# KiCad board GanJing 65 rev 2 hotswap-rounded.kicad_pcb (continued)
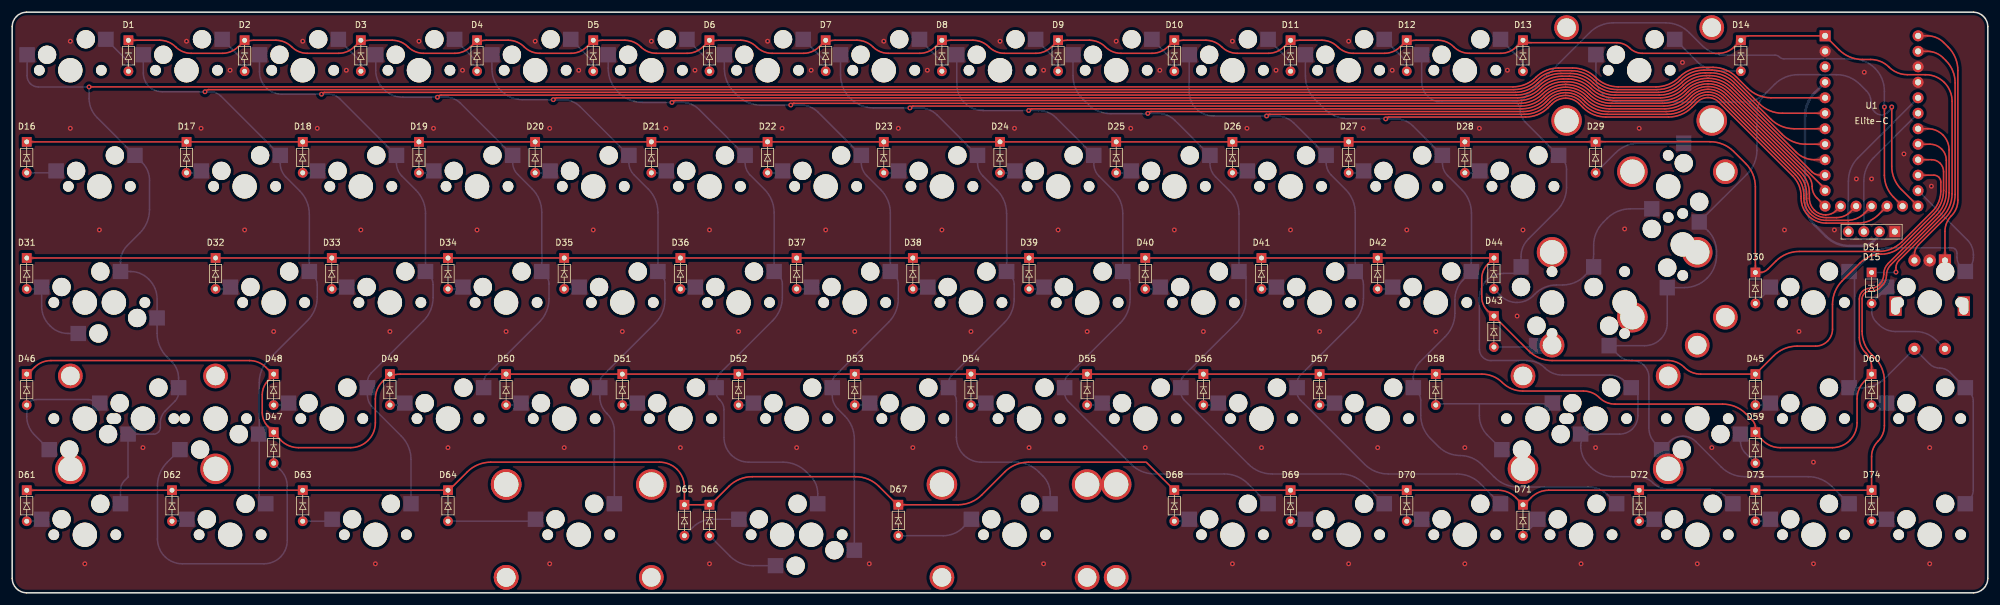
[diagram p0: board, top side]
## Copper pours and planes (outline as drawn; the poured copper is in the pictures) (continued)
col_11 on Bottom: 211.49,31.47 211.34,31.65 211.25,31.83 211.23,32 211.26,32.16 211.32,32.32 211.41,32.49 211.52,32.66 211.63,32.85 211.73,33.05 211.82,33.27 210.54,34.27 209.75,32.77 209.93,32.59 210.1,32.43 210.24,32.3 210.37,32.18 210.63,31.95 210.77,31.82 210.93,31.67 211.11,31.5 211.32,31.29
col_11 on Bottom: 221.62,50.7 221.61,50.98 221.59,51.21 221.57,51.42 221.54,51.59 221.48,51.92 221.46,52.09 221.43,52.27 221.41,52.48 221.4,52.73 219.71,53.15 219.75,51.52 219.98,51.46 220.21,51.42 220.43,51.4 220.65,51.38 220.84,51.35 221.01,51.3 221.16,51.22 221.27,51.1 221.34,50.93 221.37,50.69
col_11 on Bottom: 213.53,73.44 213.73,73.22 213.87,73.01 213.96,72.82 214.01,72.63 214.04,72.45 214.06,72.26 214.07,72.06 214.09,71.84 214.14,71.61 214.21,71.34 215.83,71.31 215.8,72.94 215.54,73.01 215.3,73.06 215.09,73.08 214.89,73.09 214.7,73.1 214.51,73.13 214.33,73.19 214.13,73.28 213.93,73.42 213.71,73.62
col_12 on Top: 306.16,62.08 306.32,62.22 306.46,62.32 306.6,62.38 306.73,62.43 306.86,62.45 306.99,62.46 307.13,62.48 307.29,62.49 307.45,62.53 307.64,62.58 307.66,63.75 306.49,63.73 306.44,63.54 306.4,63.38 306.39,63.22 306.37,63.08 306.36,62.95 306.34,62.82 306.29,62.69 306.23,62.55 306.13,62.41 305.99,62.25
col_12 on Bottom: 229.77,36.49 229.64,36.16 229.53,35.88 229.41,35.65 229.3,35.46 229.19,35.28 228.96,34.92 228.83,34.72 228.7,34.48 228.55,34.2 229.68,33.03 230.8,34.2 230.66,34.46 230.51,34.68 230.36,34.88 230.22,35.07 230.09,35.24 229.99,35.42 229.92,35.62 229.9,35.85 229.92,36.11 230,36.41
col_12 on Bottom: 234.83,69.34 234.74,69.6 234.71,69.81 234.73,70 234.8,70.16 234.9,70.32 235.02,70.47 235.16,70.63 235.3,70.8 235.44,70.99 235.57,71.22 234.44,72.38 233.32,71.2 233.45,70.95 233.58,70.74 233.71,70.57 233.83,70.41 233.95,70.27 234.07,70.12 234.19,69.96 234.32,69.76 234.46,69.53 234.6,69.24
col_12 on Bottom: 212.11,85.78 212.13,86.07 212.18,86.31 212.25,86.51 212.34,86.68 212.46,86.83 212.58,86.97 212.71,87.12 212.85,87.29 212.98,87.48 213.11,87.72 211.99,88.89 210.86,87.72 211,87.48 211.13,87.29 211.27,87.12 211.4,86.97 211.52,86.83 211.64,86.68 211.73,86.51 211.8,86.31 211.85,86.07 211.86,85.78
col_12 on Bottom: 231.02,31.55 231.02,31.84 231.01,32.08 231,32.29 230.99,32.48 230.96,32.81 230.95,32.99 230.94,33.18 230.93,33.4 230.93,33.66 229.28,34.14 229.16,32.52 229.39,32.43 229.62,32.37 229.84,32.33 230.05,32.3 230.25,32.26 230.42,32.2 230.56,32.11 230.67,31.98 230.74,31.8 230.77,31.55
col_12 on Bottom: 260.58,16.63 260.9,16.43 261.13,16.23 261.3,16.02 261.42,15.81 261.51,15.59 261.57,15.35 261.61,15.1 261.67,14.83 261.74,14.52 261.84,14.19 263.46,14.16 263.43,15.79 263.09,15.9 262.8,15.99 262.31,16.14 262.08,16.21 261.86,16.29 261.62,16.38 261.36,16.5 261.06,16.66 260.71,16.85
col_12 on Bottom: 232.58,73.44 232.78,73.21 232.92,73.01 233.01,72.82 233.07,72.63 233.09,72.45 233.11,72.26 233.12,72.06 233.14,71.84 233.19,71.61 233.26,71.34 234.88,71.31 234.85,72.94 234.59,73.01 234.35,73.05 234.14,73.08 233.94,73.09 233.75,73.1 233.57,73.13 233.38,73.18 233.19,73.28 232.98,73.41 232.76,73.61
col_13 on Top: 308.53,64.61 308.67,64.45 308.77,64.31 308.83,64.17 308.88,64.04 308.9,63.91 308.91,63.78 308.93,63.64 308.94,63.48 308.98,63.32 309.03,63.13 310.2,63.11 310.18,64.28 309.99,64.33 309.83,64.37 309.67,64.38 309.53,64.4 309.4,64.41 309.27,64.43 309.14,64.48 309,64.54 308.86,64.64 308.7,64.78
col_13 on Bottom: 247.4,56.42 247.29,56.07 247.17,55.78 247.06,55.54 246.96,55.33 246.85,55.14 246.74,54.95 246.62,54.76 246.49,54.55 246.36,54.31 246.21,54.01 247.33,52.84 248.46,54.01 248.31,54.29 248.15,54.52 248,54.73 247.86,54.92 247.73,55.11 247.63,55.3 247.56,55.51 247.54,55.74 247.56,56.02 247.64,56.34
col_13 on Bottom: 231.16,85.78 231.18,86.07 231.23,86.31 231.3,86.51 231.39,86.68 231.51,86.83 231.63,86.97 231.76,87.12 231.9,87.29 232.03,87.48 232.16,87.72 231.04,88.89 229.91,87.72 230.05,87.48 230.18,87.29 230.32,87.12 230.45,86.97 230.57,86.83 230.69,86.68 230.78,86.51 230.85,86.31 230.9,86.07 230.91,85.78
col_13 on Bottom: 254.91,69.7 254.89,69.99 254.87,70.24 254.85,70.45 254.84,70.64 254.79,71.16 254.78,71.36 254.76,71.58 254.74,71.84 253.08,72.23 252.99,70.61 253.23,70.53 253.46,70.47 253.69,70.44 253.9,70.41 254.1,70.37 254.27,70.32 254.42,70.24 254.54,70.11 254.62,69.93 254.66,69.68
col_13 on Bottom: 279.81,16.43 280.1,16.25 280.31,16.08 280.46,15.89 280.56,15.69 280.62,15.49 280.67,15.27 280.7,15.03 280.74,14.77 280.8,14.49 280.89,14.19 282.51,14.16 282.48,15.79 282.16,15.89 281.89,15.97 281.65,16.03 281.43,16.08 281.22,16.13 281.01,16.19 280.79,16.26 280.54,16.36 280.25,16.48 279.92,16.65
col_13 on Bottom: 263.29,35.28 263.56,35.14 263.75,34.98 263.88,34.81 263.96,34.63 264.01,34.44 264.04,34.23 264.07,34.01 264.09,33.77 264.14,33.52 264.22,33.24 265.84,33.21 265.81,34.84 265.52,34.93 265.26,35 265.04,35.04 264.83,35.08 264.64,35.11 264.44,35.15 264.22,35.2 263.98,35.27 263.71,35.37 263.4,35.51
col_13 on Bottom: 251.64,73.43 251.83,73.21 251.97,73.01 252.06,72.82 252.12,72.63 252.14,72.44 252.16,72.26 252.17,72.06 252.19,71.84 252.24,71.61 252.31,71.34 253.93,71.31 253.9,72.94 253.64,73.01 253.41,73.05 253.19,73.08 252.99,73.09 252.8,73.1 252.62,73.13 252.43,73.18 252.24,73.27 252.03,73.41 251.81,73.61
col_14 on Top: 311.07,64.61 311.21,64.45 311.31,64.31 311.37,64.17 311.42,64.04 311.44,63.91 311.45,63.78 311.47,63.64 311.48,63.48 311.52,63.32 311.57,63.13 312.74,63.11 312.72,64.28 312.53,64.33 312.37,64.37 312.21,64.38 312.07,64.4 311.94,64.41 311.81,64.43 311.68,64.48 311.54,64.54 311.4,64.64 311.24,64.78
col_14 on Bottom: 264.27,40.66 263.97,40.68 263.73,40.73 263.53,40.8 263.36,40.89 263.21,41.01 263.07,41.13 262.92,41.26 262.76,41.4 262.56,41.53 262.32,41.66 261.15,40.54 262.32,39.41 262.56,39.55 262.76,39.68 262.92,39.82 263.07,39.95 263.21,40.07 263.36,40.19 263.53,40.28 263.73,40.35 263.97,40.4 264.27,40.41
col_14 on Bottom: 299.27,16.28 299.47,16.06 299.6,15.85 299.69,15.66 299.75,15.47 299.77,15.29 299.79,15.1 299.8,14.9 299.82,14.69 299.86,14.46 299.94,14.19 301.56,14.16 301.53,15.79 301.27,15.86 301.03,15.9 300.82,15.92 300.62,15.94 300.43,15.95 300.25,15.98 300.06,16.03 299.87,16.12 299.67,16.26 299.44,16.45
col_14 on Bottom: 259.74,85.78 259.76,86.07 259.8,86.31 259.88,86.51 259.97,86.68 260.08,86.83 260.2,86.97 260.34,87.12 260.47,87.29 260.61,87.48 260.74,87.72 259.61,88.89 258.49,87.72 258.62,87.48 258.76,87.29 258.89,87.12 259.03,86.97 259.15,86.83 259.26,86.68 259.35,86.51 259.43,86.31 259.47,86.07 259.49,85.78
col_14 on Bottom: 264.39,38.42 264.04,38.59 263.77,38.77 263.57,38.97 263.43,39.18 263.33,39.42 263.25,39.68 263.2,39.95 263.14,40.26 263.07,40.58 262.97,40.93 261.34,40.99 261.35,39.37 261.72,39.23 262.03,39.11 262.29,39.01 262.54,38.91 262.77,38.81 263.26,38.61 263.55,38.49 263.9,38.35 264.3,38.19
col_15 on Bottom: 304.49,33.92 304.1,33.85 303.76,33.82 303.47,33.85 303.22,33.91 302.98,34.01 302.76,34.13 302.52,34.28 302.27,34.44 301.99,34.61 301.66,34.78 300.49,33.66 301.66,32.53 302,32.7 302.3,32.85 302.55,32.98 302.78,33.09 303.01,33.19 303.24,33.29 303.5,33.38 303.79,33.48 304.14,33.58 304.55,33.68
col_15 on Bottom: 302.12,50.56 302.13,50.86 302.15,51.11 302.18,51.32 302.21,51.51 302.25,51.68 302.28,51.85 302.31,52.02 302.34,52.22 302.36,52.44 302.37,52.71 300.68,53.15 300.7,51.53 300.89,51.47 301.07,51.41 301.23,51.36 301.39,51.31 301.53,51.24 301.64,51.16 301.74,51.06 301.81,50.93 301.86,50.77 301.88,50.56
col_15 on Bottom: 303.1,54.08 302.91,53.92 302.74,53.81 302.57,53.75 302.41,53.72 302.24,53.73 302.08,53.76 301.9,53.81 301.71,53.86 301.5,53.91 301.27,53.95 300.53,52.5 302,51.82 302.2,52.04 302.35,52.25 302.45,52.45 302.53,52.64 302.6,52.83 302.67,53.02 302.76,53.22 302.88,53.43 303.05,53.66 303.27,53.9
col_15 on Bottom: 321.36,54.78 321.31,54.53 321.23,54.35 321.11,54.22 320.96,54.14 320.78,54.08 320.58,54.05 320.37,54.02 320.14,53.99 319.91,53.94 319.67,53.85 319.76,52.23 321.41,52.6 321.58,54.46 321.61,54.76
col_15 on Bottom: 318.31,35.33 318.51,35.11 318.65,34.91 318.74,34.72 318.79,34.53 318.82,34.34 318.83,34.16 318.85,33.96 318.87,33.74 318.91,33.51 318.99,33.24 320.61,33.21 320.58,34.84 320.32,34.91 320.08,34.95 319.87,34.98 319.67,34.99 319.48,35 319.29,35.03 319.11,35.08 318.91,35.17 318.71,35.31 318.49,35.51
col_15 on Bottom: 318.69,54.73 318.73,54.43 318.76,54.18 318.78,53.96 318.8,53.77 318.83,53.42 318.85,53.24 318.87,53.04 318.89,52.81 318.93,52.54 320.58,52.24 320.65,53.86 320.41,53.94 320.18,53.99 319.95,54.02 319.74,54.04 319.54,54.08 319.36,54.13 319.21,54.21 319.09,54.33 318.99,54.52 318.94,54.76
col_15 on Bottom: 321.59,31.6 321.57,31.89 321.55,32.14 321.53,32.35 321.51,32.54 321.47,33.06 321.45,33.26 321.43,33.48 321.41,33.74 319.76,34.13 319.67,32.51 319.9,32.43 320.14,32.37 320.36,32.34 320.57,32.31 320.77,32.27 320.95,32.22 321.1,32.14 321.21,32.01 321.3,31.83 321.34,31.58
col_15 on Bottom: 301.88,35.8 301.86,35.59 301.81,35.43 301.74,35.3 301.64,35.2 301.53,35.12 301.39,35.05 301.23,35 301.07,34.95 300.89,34.89 300.7,34.83 300.68,33.21 302.37,33.66 302.36,33.92 302.34,34.14 302.31,34.34 302.28,34.51 302.25,34.68 302.21,34.85 302.18,35.04 302.15,35.25 302.13,35.5 302.12,35.8
col_15 on Bottom: 313.77,64.79 313.63,64.95 313.53,65.09 313.47,65.23 313.42,65.36 313.4,65.49 313.39,65.62 313.37,65.76 313.36,65.92 313.32,66.08 313.27,66.27 312.1,66.29 312.12,65.12 312.31,65.07 312.47,65.03 312.63,65.02 312.77,65 312.9,64.99 313.03,64.97 313.16,64.92 313.3,64.86 313.44,64.76 313.6,64.62
col_15 on Bottom: 321.34,16.68 321.3,16.43 321.21,16.25 321.1,16.12 320.95,16.04 320.77,15.99 320.57,15.95 320.36,15.92 320.14,15.89 319.9,15.83 319.67,15.75 319.76,14.13 321.41,14.52 321.43,14.78 321.45,15 321.47,15.2 321.51,15.72 321.53,15.91 321.55,16.12 321.57,16.37 321.59,16.66
rotory_1 on Top: 314.89,91.38 314.6,91.46 314.35,91.53 314.13,91.59 313.95,91.65 313.78,91.72 313.62,91.79 313.45,91.87 313.27,91.96 313.06,92.06 312.81,92.18 311.97,91.37 312.81,90.56 313.04,90.68 313.25,90.8 313.42,90.91 313.59,91.01 313.75,91.1 313.92,91.16 314.1,91.2 314.31,91.22 314.55,91.2 314.83,91.14
rotory_1 on Top: 316.7,56.53 316.69,56.29 316.65,56.1 316.6,55.94 316.52,55.8 316.44,55.68 316.34,55.56 316.24,55.44 316.14,55.31 316.03,55.15 315.92,54.96 316.82,54.03 317.72,54.96 317.62,55.15 317.51,55.31 317.41,55.44 317.31,55.56 317.21,55.68 317.13,55.8 317.05,55.94 317,56.1 316.96,56.29 316.95,56.53
rotory_2 on Top: 311.95,56.55 311.83,56.32 311.72,56.14 311.62,55.98 311.52,55.85 311.42,55.73 311.33,55.61 311.24,55.48 311.14,55.34 311.04,55.18 310.93,54.97 311.82,54.03 312.73,54.95 312.63,55.13 312.52,55.28 312.41,55.42 312.3,55.55 312.21,55.67 312.13,55.79 312.08,55.93 312.07,56.07 312.1,56.24 312.18,56.44
rotory_2 on Top: 314.86,88.84 314.57,88.92 314.32,88.99 314.11,89.05 313.93,89.12 313.77,89.18 313.6,89.25 313.44,89.33 313.26,89.42 313.05,89.52 312.81,89.64 311.97,88.83 312.81,88.02 313.04,88.14 313.24,88.26 313.42,88.37 313.58,88.47 313.74,88.55 313.91,88.62 314.09,88.66 314.29,88.67 314.52,88.65 314.8,88.6
row_1 on Top: 246.02,88.97 246.27,89.12 246.47,89.25 246.66,89.36 246.82,89.45 246.97,89.53 247.12,89.6 247.29,89.66 247.46,89.73 247.67,89.81 247.91,89.89 247.93,90.93 246.89,90.91 246.82,90.67 246.76,90.46 246.71,90.27 246.66,90.09 246.6,89.93 246.52,89.78 246.42,89.63 246.29,89.49 246.11,89.34 245.89,89.18
row_1 on Top: 281.74,88.97 281.99,89.12 282.19,89.25 282.37,89.36 282.54,89.45 282.69,89.53 282.84,89.6 283,89.66 283.18,89.73 283.39,89.81 283.63,89.89 283.65,90.93 282.61,90.91 282.54,90.67 282.48,90.46 282.43,90.27 282.38,90.09 282.32,89.93 282.24,89.78 282.14,89.63 282.01,89.49 281.83,89.34 281.61,89.18
row_1 on Top: 249.15,90.38 249,90.38 248.87,90.41 248.77,90.46 248.69,90.51 248.62,90.59 248.56,90.67 248.51,90.77 248.45,90.87 248.38,90.98 248.31,91.1 247.3,90.84 247.65,89.85 247.83,89.85 247.99,89.88 248.13,89.91 248.25,89.94 248.36,89.99 248.48,90.03 248.61,90.06 248.76,90.1 248.94,90.12 249.15,90.12
row_1 on Top: 20.64,90.77 20.45,90.78 20.3,90.81 20.17,90.85 20.06,90.9 19.97,90.97 19.87,91.04 19.78,91.12 19.67,91.2 19.55,91.29 19.4,91.37 18.65,90.65 19.4,89.93 19.55,90.01 19.67,90.09 19.78,90.17 19.87,90.25 19.97,90.32 20.06,90.39 20.17,90.44 20.3,90.48 20.45,90.51 20.64,90.52
row_1 on Top: 284.73,91.5 284.55,91.49 284.39,91.49 284.25,91.48 284.13,91.48 283.8,91.46 283.68,91.45 283.53,91.45 283.37,91.45 283.05,90.4 284.09,90.3 284.14,90.43 284.19,90.57 284.22,90.7 284.25,90.83 284.28,90.94 284.32,91.04 284.38,91.13 284.47,91.19 284.58,91.23 284.73,91.25
row_1 on Bottom: 306.39,52.67 306.2,52.68 306.05,52.71 305.92,52.75 305.81,52.8 305.72,52.87 305.62,52.94 305.53,53.02 305.42,53.1 305.3,53.19 305.15,53.27 304.4,52.55 305.15,51.83 305.3,51.91 305.42,51.99 305.53,52.07 305.62,52.15 305.72,52.22 305.81,52.29 305.92,52.34 306.05,52.38 306.2,52.41 306.39,52.42
row_2 on Top: 3.97,74.1 3.78,74.11 3.63,74.14 3.5,74.18 3.39,74.24 3.3,74.3 3.2,74.37 3.11,74.45 3,74.53 2.88,74.62 2.73,74.7 1.98,73.98 2.73,73.26 2.88,73.34 3,73.42 3.11,73.5 3.2,73.58 3.3,73.65 3.39,73.72 3.5,73.77 3.63,73.82 3.78,73.84 3.97,73.85
row_2 on Top: 285.62,54.15 285.62,53.96 285.59,53.81 285.55,53.68 285.49,53.57 285.43,53.47 285.36,53.38 285.28,53.28 285.19,53.17 285.11,53.05 285.03,52.89 285.75,52.15 286.47,52.89 286.39,53.05 286.31,53.17 286.22,53.28 286.14,53.38 286.07,53.47 286.01,53.57 285.95,53.68 285.91,53.81 285.88,53.96 285.88,54.15
row_2 on Top: 257.97,73.85 258.15,73.84 258.31,73.82 258.43,73.77 258.54,73.72 258.64,73.65 258.73,73.58 258.83,73.5 258.93,73.42 259.06,73.34 259.21,73.26 259.96,73.98 259.21,74.7 259.06,74.62 258.93,74.53 258.83,74.45 258.73,74.37 258.64,74.3 258.54,74.24 258.43,74.18 258.31,74.14 258.15,74.11 257.97,74.1
row_2 on Top: 287.27,52.86 287.11,52.79 286.98,52.77 286.86,52.78 286.76,52.81 286.66,52.87 286.56,52.94 286.46,53.03 286.35,53.11 286.23,53.2 286.09,53.27 285.35,52.54 286.12,51.84 286.28,51.92 286.41,52 286.52,52.08 286.62,52.15 286.82,52.29 286.93,52.37 287.05,52.45 287.2,52.54 287.38,52.64
row_2 on Top: 314.21,68.64 314,68.65 313.83,68.68 313.68,68.73 313.56,68.79 313.45,68.87 313.35,68.95 313.24,69.04 313.12,69.13 312.98,69.23 312.81,69.32 311.97,68.51 312.81,67.7 312.98,67.79 313.12,67.89 313.24,67.98 313.35,68.07 313.45,68.15 313.56,68.23 313.68,68.29 313.83,68.34 314,68.37 314.21,68.39
row_2 on Top: 261.16,74.12 260.97,74.13 260.81,74.16 260.68,74.2 260.57,74.26 260.47,74.32 260.37,74.39 260.28,74.47 260.17,74.55 260.04,74.63 259.88,74.71 259.16,73.97 259.93,73.27 260.07,73.35 260.19,73.44 260.3,73.52 260.39,73.6 260.49,73.68 260.58,73.74 260.69,73.8 260.82,73.84 260.97,73.87 261.16,73.88
row_3 on Top: 3.97,55.05 3.78,55.06 3.63,55.09 3.5,55.13 3.39,55.19 3.3,55.25 3.2,55.32 3.11,55.4 3,55.48 2.88,55.57 2.73,55.65 1.98,54.93 2.73,54.21 2.88,54.29 3,54.37 3.11,54.45 3.2,54.53 3.3,54.6 3.39,54.67 3.5,54.72 3.63,54.77 3.78,54.79 3.97,54.8
row_3 on Top: 314.21,71.17 314,71.19 313.83,71.22 313.68,71.27 313.56,71.33 313.45,71.41 313.35,71.49 313.24,71.58 313.12,71.67 312.98,71.77 312.81,71.86 311.97,71.05 312.81,70.24 312.98,70.33 313.12,70.43 313.24,70.52 313.35,70.61 313.45,70.69 313.56,70.77 313.68,70.83 313.83,70.88 314,70.91 314.21,70.92
row_3 on Top: 244.1,44.37 243.97,44.51 243.88,44.63 243.82,44.75 243.79,44.87 243.76,44.98 243.75,45.1 243.74,45.22 243.72,45.36 243.69,45.5 243.64,45.67 242.6,45.69 242.62,44.65 242.79,44.6 242.93,44.57 243.07,44.55 243.19,44.54 243.31,44.53 243.42,44.5 243.54,44.47 243.66,44.41 243.78,44.32 243.92,44.19
row_3 on Top: 241.22,46.89 241.36,46.64 241.48,46.43 241.58,46.25 241.66,46.08 241.74,45.93 241.81,45.78 241.88,45.63 241.97,45.46 242.06,45.26 242.18,45.04 243.21,45.16 243.04,46.19 242.82,46.23 242.62,46.26 242.43,46.29 242.27,46.32 242.11,46.37 241.97,46.43 241.83,46.52 241.7,46.64 241.57,46.81 241.43,47.01
row_4 on Top: 41.55,34.09 41.7,34.32 41.84,34.49 41.99,34.63 42.13,34.72 42.28,34.8 42.44,34.86 42.62,34.92 42.8,34.98 43,35.06 43.23,35.17 43.1,36.2 42.08,36.03 42.03,35.8 41.98,35.6 41.94,35.43 41.89,35.27 41.83,35.12 41.76,34.98 41.68,34.82 41.58,34.65 41.47,34.45 41.33,34.22
row_4 on Top: 44,25.24 43.88,25.37 43.79,25.49 43.74,25.61 43.71,25.72 43.69,25.83 43.68,25.95 43.68,26.07 43.68,26.2 43.67,26.34 43.65,26.51 42.62,26.67 42.5,25.64 42.66,25.57 42.8,25.52 42.94,25.48 43.18,25.43 43.3,25.4 43.42,25.36 43.54,25.29 43.67,25.19 43.82,25.06
row_4 on Top: 304.58,37.82 304.62,37.6 304.64,37.41 304.62,37.24 304.59,37.1 304.53,36.97 304.45,36.84 304.37,36.71 304.27,36.57 304.18,36.41 304.08,36.23 304.8,35.48 305.52,36.23 305.42,36.42 305.34,36.59 305.26,36.73 305.19,36.87 305.12,36.99 305.06,37.13 305.01,37.27 304.95,37.44 304.89,37.64 304.82,37.88
row_4 on Top: 314.21,73.72 314,73.73 313.83,73.76 313.68,73.81 313.56,73.87 313.45,73.95 313.35,74.03 313.24,74.12 313.12,74.21 312.98,74.31 312.81,74.4 311.97,73.59 312.81,72.78 312.98,72.87 313.12,72.97 313.24,73.06 313.35,73.15 313.45,73.23 313.56,73.31 313.68,73.37 313.83,73.42 314,73.45 314.21,73.47
row_4 on Top: 41.33,27.85 41.46,27.62 41.57,27.43 41.66,27.26 41.74,27.11 41.8,26.96 41.85,26.82 41.91,26.67 41.97,26.5 42.03,26.31 42.11,26.09 43.15,26.07 43.13,27.11 42.91,27.18 42.72,27.22 42.54,27.27 42.38,27.3 42.23,27.35 42.08,27.41 41.95,27.5 41.82,27.62 41.68,27.77 41.55,27.98
row_4 on Top: 286.88,25.24 286.76,25.37 286.68,25.49 286.62,25.61 286.59,25.72 286.58,25.83 286.57,25.95 286.57,26.07 286.57,26.2 286.56,26.34 286.54,26.51 285.51,26.67 285.38,25.64 285.55,25.57 285.69,25.52 285.82,25.48 286.07,25.43 286.18,25.4 286.3,25.36 286.43,25.29 286.56,25.19 286.71,25.06
row_4 on Top: 41.57,36.84 41.7,36.69 41.8,36.56 41.87,36.43 41.91,36.31 41.94,36.19 41.99,35.95 42.03,35.82 42.08,35.67 42.15,35.51 43.18,35.64 43.02,36.66 42.85,36.69 42.71,36.7 42.58,36.7 42.46,36.7 42.34,36.7 42.23,36.72 42.12,36.75 42,36.81 41.88,36.89 41.75,37.01
row_4 on Top: 3.5,37.01 3.36,36.89 3.24,36.81 3.13,36.75 3.01,36.72 2.9,36.7 2.79,36.7 2.67,36.7 2.53,36.7 2.39,36.69 2.23,36.66 2.06,35.64 3.09,35.51 3.17,35.67 3.22,35.82 3.25,35.95 3.3,36.19 3.33,36.31 3.38,36.43 3.45,36.56 3.54,36.69 3.67,36.84
row_4 on Top: 285.43,27.86 285.5,27.71 285.52,27.58 285.52,27.46 285.48,27.36 285.42,27.26 285.35,27.16 285.27,27.06 285.18,26.95 285.1,26.83 285.02,26.69 285.76,25.95 286.46,26.73 286.37,26.89 286.29,27.02 286.21,27.13 286.14,27.23 286,27.42 285.92,27.53 285.84,27.65 285.75,27.8 285.65,27.98
row_4 on Top: 303.76,34.66 303.9,34.79 304.03,34.88 304.15,34.94 304.27,34.98 304.38,35 304.5,35.02 304.62,35.03 304.75,35.04 304.9,35.07 305.06,35.12 305.08,36.16 304.04,36.14 304,35.98 303.97,35.83 303.95,35.7 303.94,35.58 303.92,35.46 303.9,35.34 303.86,35.23 303.8,35.11 303.71,34.98 303.59,34.84
row_5 on Top: 115.42,15.58 115.28,15.46 115.16,15.38 115.04,15.32 114.93,15.29 114.82,15.27 114.71,15.27 114.58,15.27 114.45,15.27 114.31,15.26 114.15,15.23 113.98,14.21 115.01,14.08 115.08,14.24 115.13,14.39 115.17,14.52 115.22,14.76 115.25,14.88 115.3,15 115.36,15.12 115.46,15.26 115.59,15.4
row_5 on Top: 3.97,16.95 3.78,16.96 3.63,16.99 3.5,17.03 3.39,17.09 3.3,17.15 3.2,17.22 3.11,17.3 3,17.38 2.88,17.47 2.73,17.55 1.98,16.83 2.73,16.11 2.88,16.19 3,16.27 3.11,16.35 3.2,16.43 3.3,16.5 3.39,16.57 3.5,16.62 3.63,16.67 3.78,16.69 3.97,16.7
row_5 on Top: 143.96,15.4 144.1,15.26 144.19,15.12 144.26,15 144.3,14.88 144.34,14.76 144.39,14.52 144.42,14.39 144.47,14.24 144.54,14.08 145.58,14.21 145.41,15.23 145.25,15.26 145.1,15.27 144.97,15.27 144.85,15.27 144.74,15.27 144.62,15.29 144.51,15.32 144.4,15.38 144.27,15.46 144.14,15.58
row_5 on Top: 112.71,14.32 112.9,14.31 113.05,14.28 113.18,14.24 113.29,14.19 113.38,14.12 113.48,14.05 113.57,13.97 113.68,13.89 113.8,13.81 113.95,13.73 114.7,14.45 113.95,15.17 113.8,15.09 113.68,15 113.57,14.92 113.48,14.84 113.38,14.77 113.29,14.7 113.18,14.65 113.05,14.61 112.9,14.58 112.71,14.57
row_5 on Top: 314.96,76.13 314.65,76.22 314.4,76.29 314.18,76.35 313.99,76.42 313.81,76.48 313.64,76.55 313.47,76.63 313.28,76.72 313.06,76.82 312.81,76.94 311.97,76.13 312.81,75.32 313.05,75.44 313.26,75.57 313.44,75.68 313.61,75.78 313.78,75.87 313.96,75.93 314.15,75.97 314.36,75.98 314.6,75.96 314.89,75.89
row_5 on Top: 146.85,14.57 146.66,14.58 146.51,14.61 146.38,14.65 146.27,14.7 146.17,14.77 146.08,14.84 145.98,14.92 145.88,15 145.75,15.09 145.6,15.17 144.86,14.45 145.6,13.73 145.75,13.81 145.88,13.89 145.98,13.97 146.08,14.05 146.17,14.12 146.27,14.19 146.38,14.24 146.51,14.28 146.66,14.31 146.85,14.32
row_5 on Top: 246.44,15.48 246.56,15.34 246.65,15.22 246.71,15.1 246.75,14.98 246.77,14.87 246.79,14.75 246.8,14.62 246.82,14.49 246.85,14.35 246.89,14.18 247.93,14.16 247.91,15.2 247.75,15.25 247.6,15.28 247.47,15.3 247.35,15.31 247.23,15.32 247.12,15.35 247,15.38 246.88,15.44 246.75,15.53 246.61,15.66
row_5 on Top: 248.77,15.58 248.63,15.46 248.51,15.38 248.39,15.32 248.28,15.29 248.17,15.27 248.06,15.27 247.93,15.27 247.8,15.27 247.66,15.26 247.5,15.23 247.33,14.21 248.36,14.08 248.43,14.24 248.48,14.39 248.52,14.52 248.57,14.76 248.6,14.88 248.65,15 248.71,15.12 248.81,15.26 248.94,15.4
S2 on Bottom: 305.07,47.18 305.24,47.6 305.44,47.92 305.66,48.15 305.89,48.33 306.16,48.45 306.44,48.55 306.75,48.65 307.08,48.75 307.44,48.88 307.82,49.06 307.61,50.67 306.01,50.4 305.93,50 305.84,49.66 305.74,49.38 305.63,49.12 305.52,48.88 305.4,48.63 305.28,48.36 305.14,48.06 304.99,47.7 304.83,47.27
S2 on Bottom: 315.33,41.34 315.49,41.17 315.6,41.01 315.67,40.85 315.72,40.71 315.74,40.56 315.75,40.41 315.77,40.26 315.79,40.09 315.82,39.9 315.88,39.7 317.18,39.67 317.15,40.97 316.95,41.03 316.76,41.06 316.59,41.08 316.44,41.1 316.29,41.11 316.14,41.13 316,41.18 315.84,41.25 315.68,41.36 315.51,41.52
SCL on Bottom: 311.24,77.32 311.4,77.46 311.54,77.56 311.68,77.62 311.81,77.67 311.94,77.69 312.07,77.7 312.21,77.72 312.37,77.73 312.53,77.77 312.72,77.82 312.74,78.99 311.57,78.97 311.52,78.78 311.48,78.62 311.47,78.46 311.45,78.32 311.44,78.19 311.42,78.06 311.37,77.93 311.31,77.79 311.21,77.65 311.07,77.49
SCL on Bottom: 303.4,61.04 303.39,60.83 303.36,60.66 303.31,60.51 303.25,60.39 303.17,60.28 303.09,60.18 303,60.07 302.91,59.95 302.81,59.81 302.72,59.64 303.53,58.8 304.34,59.64 304.25,59.81 304.15,59.95 304.06,60.07 303.97,60.18 303.89,60.28 303.81,60.39 303.75,60.51 303.7,60.66 303.67,60.83 303.65,61.04
SDA on Bottom: 311.24,79.86 311.4,80 311.54,80.1 311.68,80.16 311.81,80.21 311.94,80.23 312.07,80.24 312.21,80.26 312.37,80.27 312.53,80.31 312.72,80.36 312.74,81.53 311.57,81.51 311.52,81.32 311.48,81.16 311.47,81 311.45,80.86 311.44,80.73 311.42,80.6 311.37,80.47 311.31,80.33 311.21,80.19 311.07,80.03
SDA on Bottom: 300.88,61.05 300.86,60.84 300.83,60.66 300.78,60.52 300.72,60.4 300.64,60.29 300.56,60.19 300.47,60.08 300.37,59.96 300.28,59.82 300.18,59.65 300.99,58.8 301.8,59.63 301.71,59.8 301.62,59.95 301.53,60.07 301.44,60.18 301.35,60.28 301.28,60.39 301.22,60.52 301.17,60.66 301.14,60.84 301.12,61.05
Net-(D1-Pad2) on Bottom: 17.22,89.13 17.02,89.35 16.88,89.56 16.79,89.75 16.74,89.94 16.71,90.12 16.7,90.31 16.69,90.51 16.67,90.72 16.62,90.95 16.55,91.22 14.93,91.25 14.96,89.62 15.22,89.55 15.45,89.51 15.67,89.49 15.86,89.47 16.05,89.46 16.24,89.43 16.42,89.38 16.61,89.29 16.82,89.15 17.04,88.96
Net-(D1-Pad2) on Bottom: 18.76,87.09 18.82,86.94 18.84,86.8 18.83,86.68 18.79,86.58 18.73,86.48 18.66,86.38 18.58,86.28 18.49,86.17 18.4,86.05 18.33,85.91 19.05,85.17 19.77,85.92 19.68,86.08 19.6,86.22 19.53,86.33 19.46,86.43 19.39,86.53 19.31,86.63 19.24,86.74 19.16,86.86 19.07,87.02 18.98,87.2
Net-(D2-Pad2) on Bottom: 37.81,87.09 37.87,86.94 37.89,86.8 37.88,86.68 37.84,86.58 37.78,86.48 37.71,86.38 37.63,86.28 37.54,86.17 37.45,86.05 37.38,85.91 38.1,85.17 38.82,85.92 38.73,86.08 38.65,86.22 38.58,86.33 38.51,86.43 38.44,86.53 38.36,86.63 38.29,86.74 38.21,86.86 38.12,87.02 38.03,87.2
Net-(D2-Pad2) on Bottom: 36.27,89.13 36.07,89.35 35.93,89.56 35.84,89.75 35.79,89.94 35.76,90.12 35.75,90.31 35.74,90.51 35.72,90.72 35.67,90.95 35.6,91.22 33.98,91.25 34.01,89.62 34.27,89.55 34.5,89.51 34.72,89.49 34.91,89.47 35.1,89.46 35.29,89.43 35.47,89.38 35.66,89.29 35.87,89.15 36.09,88.96
Net-(D3-Pad2) on Bottom: 56.86,87.09 56.92,86.94 56.94,86.8 56.93,86.68 56.89,86.58 56.83,86.48 56.76,86.38 56.68,86.28 56.59,86.17 56.5,86.05 56.43,85.91 57.15,85.17 57.87,85.92 57.78,86.08 57.7,86.22 57.63,86.33 57.56,86.43 57.49,86.53 57.41,86.63 57.34,86.74 57.26,86.86 57.17,87.02 57.08,87.2
Net-(D3-Pad2) on Bottom: 55.32,89.13 55.12,89.35 54.98,89.56 54.89,89.75 54.84,89.94 54.81,90.12 54.8,90.31 54.79,90.51 54.77,90.72 54.72,90.95 54.65,91.22 53.03,91.25 53.06,89.62 53.32,89.55 53.55,89.51 53.77,89.49 53.96,89.47 54.15,89.46 54.34,89.43 54.52,89.38 54.71,89.29 54.92,89.15 55.14,88.96
Net-(D4-Pad2) on Bottom: 74.37,89.13 74.17,89.35 74.03,89.56 73.94,89.75 73.89,89.94 73.86,90.12 73.85,90.31 73.84,90.51 73.82,90.72 73.77,90.95 73.7,91.22 72.08,91.25 72.11,89.62 72.37,89.55 72.6,89.51 72.82,89.49 73.01,89.47 73.2,89.46 73.39,89.43 73.57,89.38 73.76,89.29 73.97,89.15 74.19,88.96
Net-(D4-Pad2) on Bottom: 75.91,87.09 75.97,86.94 75.99,86.8 75.98,86.68 75.94,86.58 75.88,86.48 75.81,86.38 75.73,86.28 75.64,86.17 75.55,86.05 75.48,85.91 76.2,85.17 76.92,85.92 76.83,86.08 76.75,86.22 76.68,86.33 76.61,86.43 76.54,86.53 76.46,86.63 76.39,86.74 76.31,86.86 76.22,87.02 76.13,87.2
Net-(D5-Pad2) on Bottom: 94.96,87.09 95.02,86.94 95.04,86.8 95.03,86.68 94.99,86.58 94.93,86.48 94.86,86.38 94.78,86.28 94.69,86.17 94.6,86.05 94.53,85.91 95.25,85.17 95.97,85.92 95.88,86.08 95.8,86.22 95.73,86.33 95.66,86.43 95.59,86.53 95.51,86.63 95.44,86.74 95.36,86.86 95.27,87.02 95.18,87.2
Net-(D5-Pad2) on Bottom: 93.42,89.13 93.22,89.35 93.08,89.56 92.99,89.75 92.94,89.94 92.91,90.12 92.9,90.31 92.89,90.51 92.87,90.72 92.82,90.95 92.75,91.22 91.13,91.25 91.16,89.62 91.42,89.55 91.65,89.51 91.87,89.49 92.06,89.47 92.25,89.46 92.44,89.43 92.62,89.38 92.81,89.29 93.02,89.15 93.24,88.96
Net-(D6-Pad2) on Bottom: 114.01,87.09 114.07,86.94 114.09,86.8 114.08,86.68 114.04,86.58 113.98,86.48 113.91,86.38 113.83,86.28 113.74,86.17 113.65,86.05 113.58,85.91 114.3,85.17 115.02,85.92 114.93,86.08 114.85,86.22 114.78,86.33 114.71,86.43 114.64,86.53 114.56,86.63 114.49,86.74 114.41,86.86 114.32,87.02 114.23,87.2
